# KiCad board 32X_VA2.kicad_pcb (continued)
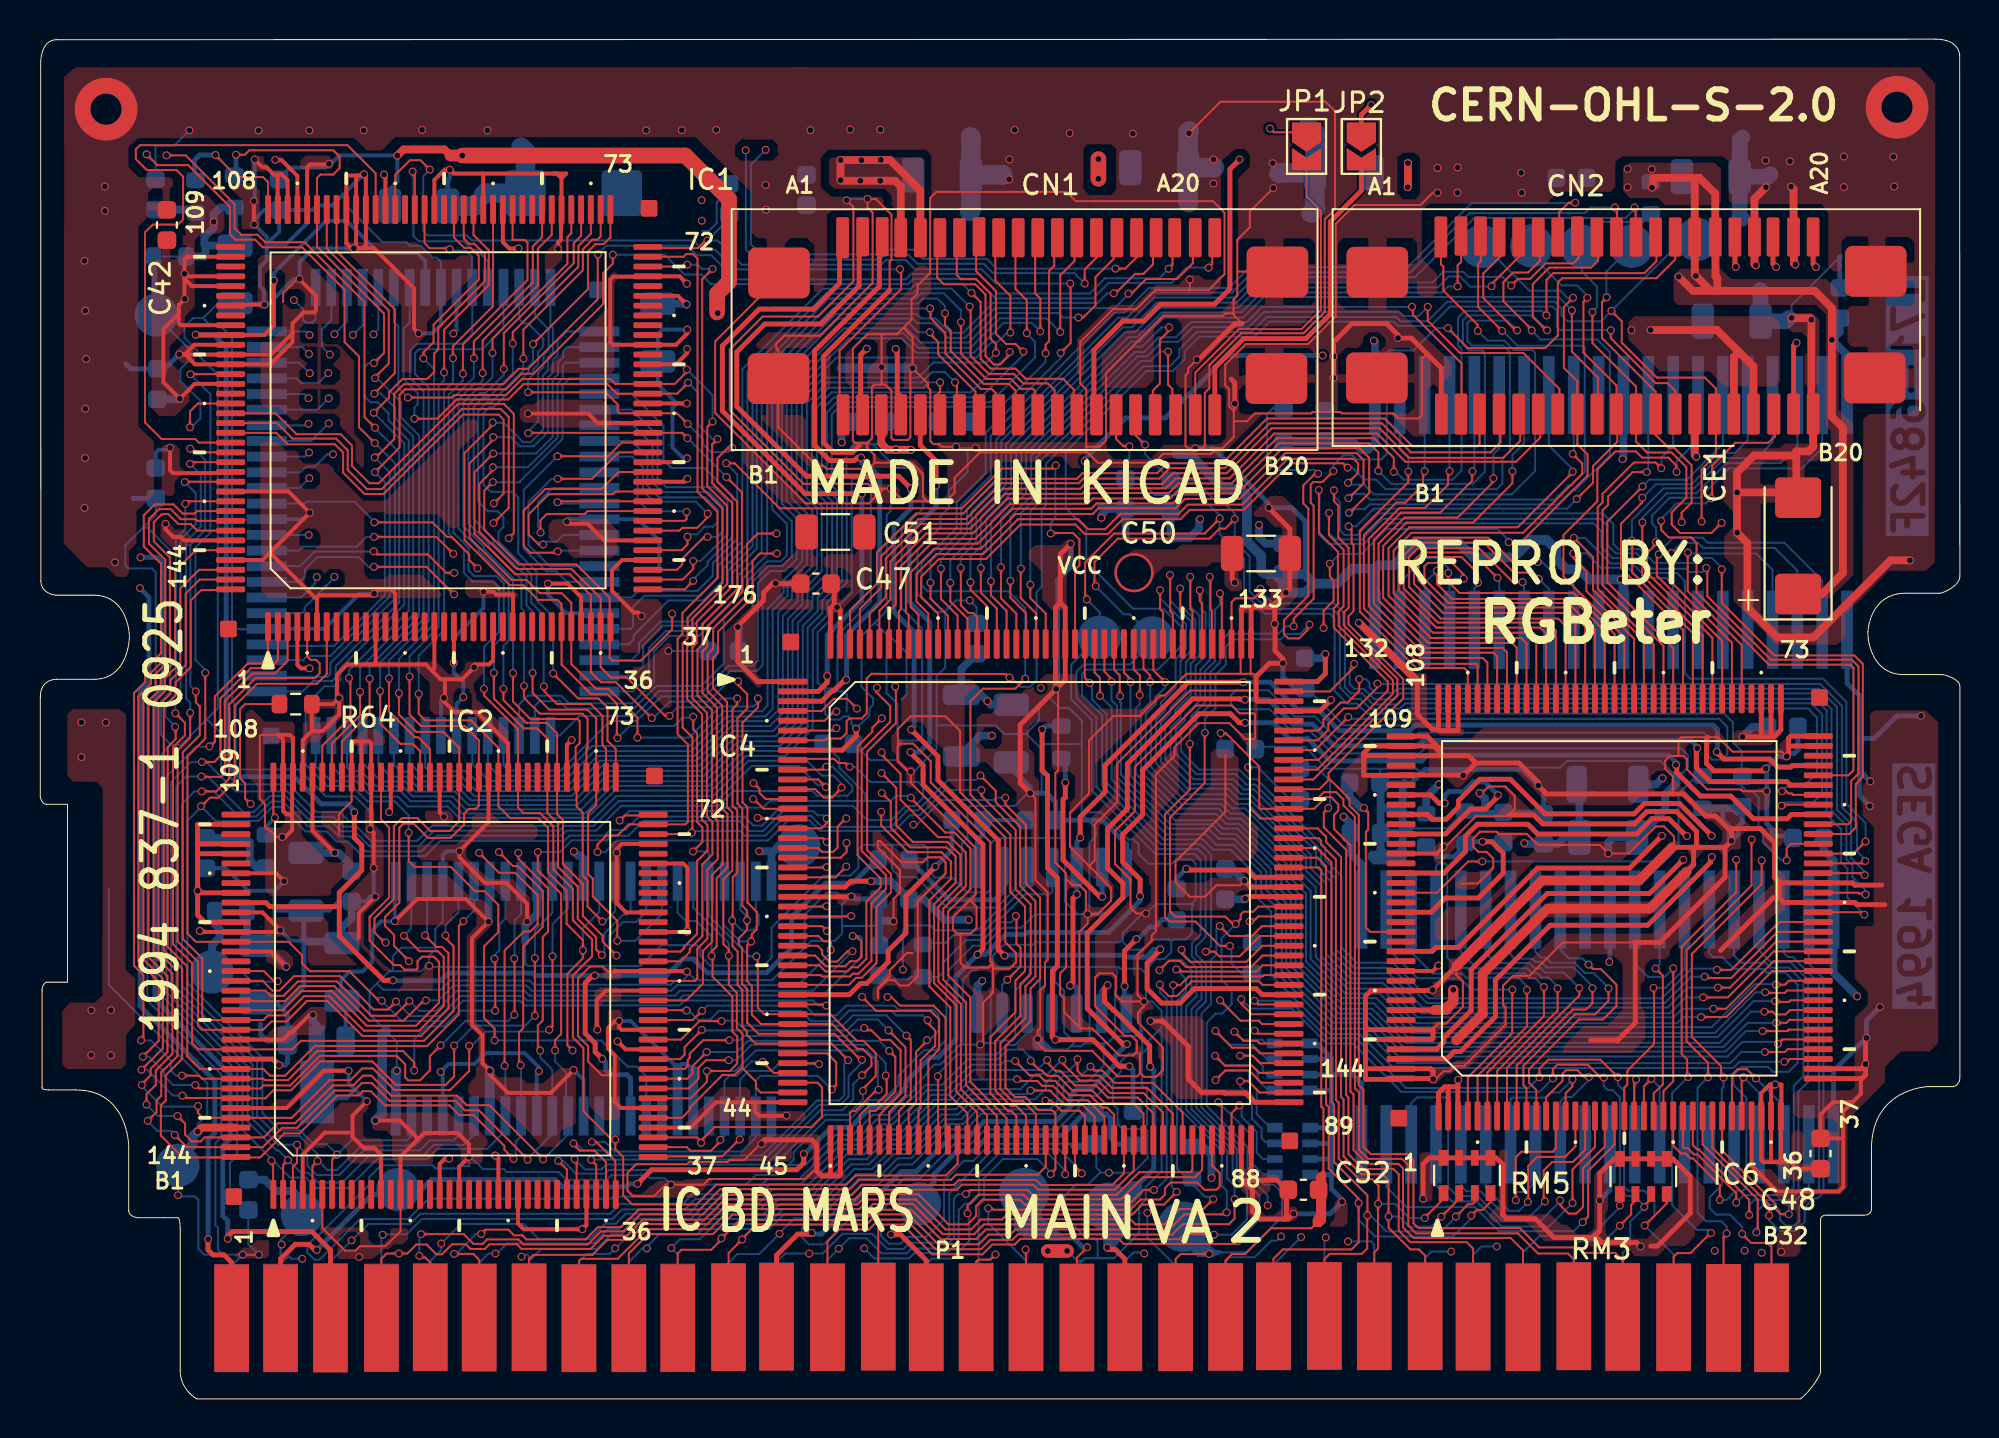
[diagram p0: board, top side]
## Routing (per net, layer and track width the routed paths; a pad name or vN(x,y) marks a point on that pad's centre or on a via; arc(x,y) is an arc through that point) (continued)
~{SHCS1}: length 78.5
  Top w0.1: IC2.73 29.47,33.22 29.05,33.64 29.05,35.34 28.59,35.8 27.55,35.8 v1(26.27,37.08) ; IC1.73 29.2,59.37 28.85,59.02 28.43,59.02 28.05,58.64 28.05,56.72 v1(25.24,53.91) ; v1(43.06,33.05) 43.06,32.92 44.03,31.95 44.03,30.62 45.94,28.71 46.58,28.71 47.36,27.93 47.36,26.21 46.21,25.06 46.21,21.43 47.37,20.27 47.37,16.04 48.95,14.47 IC4.62
  In1.Cu w0.1: v1(26.27,37.08) 26.68,37.49 29.66,37.49 31.03,36.12 33.15,36.12 35.73,33.54 42.57,33.54 v1(43.06,33.05)
  Bottom w0.1: v1(25.24,53.91) 25.24,52.99 25.02,52.77 25.02,52.48 23.24,50.7 23.02,50.7 22.71,50.39 22.71,46.73 23.08,46.36 24.2,46.36 24.49,46.07 24.49,43.21 25.42,42.28 25.42,40.83 26.27,39.98 v1(26.27,37.08)
~{SHCS2}: length 79.1
  Top w0.1: v1(25.8,36.42) 25.8,36.18 26.46,35.52 28.18,35.52 28.79,34.91 28.79,33.41 28.97,33.23 IC2.74 ; IC1.74 28.7,59.42 28.53,59.25 28.28,59.25 27.79,58.76 27.79,57.69 24.75,54.65 v1(24.75,53.17) ; v1(43.05,31.99) 43.81,31.23 43.81,29.31 44.65,28.47 46.42,28.47 47.09,27.8 47.09,26.29 45.96,25.16 45.96,21.34 47.11,20.19 47.11,15.83 48.45,14.5 IC4.61
  In1.Cu w0.1: v1(43.05,31.99) 43.05,32.39 42.1,33.34 35.65,33.34 33.07,35.92 30.95,35.92 29.58,37.29 27.17,37.29 26.3,36.42 v1(25.8,36.42)
  Bottom w0.1: v1(24.75,53.17) 24.75,52.57 23.12,50.94 22.9,50.94 22.44,50.48 22.44,45.87 22.94,45.37 23.43,45.37 23.73,45.07 23.73,44.57 23.48,44.32 23.48,43.83 25.15,42.16 25.15,40.7 25.79,40.06 25.79,36.43 v1(25.8,36.42)
~{SHCS3}: length 49.1
  Top w0.1: v1(29.55,23.41) 29.55,24.43 28.3,25.68 28.3,26.58 28.06,26.82 28.06,29.94 28.47,30.35 IC2.75 28.47,34.78 28.02,35.23 26.07,35.23 25.22,36.08 v1(25.22,37.11) ; IC1.75 28.2,59.56 27.56,58.92 27.56,57.87 24.21,54.52 v1(24.21,53.94)
  Bottom w0.1: v1(29.55,23.41) 30.46,23.41 31.83,24.78 IC3.18 ; v1(24.21,53.94) 24.21,52.42 22.98,51.19 22.7,51.19 22.21,50.7 22.21,44.97 23.2,43.98 23.2,43.75 24.91,42.04 24.91,40.56 25.22,40.25 v1(25.22,37.11)
~{SHDQMLL}: length 83
  Top w0.1: v1(19.4,36.03) 19.4,35.01 19.73,34.68 22.07,34.68 23.47,33.28 IC2.85 23.47,30.29 24.08,29.68 25.51,29.68 26.01,29.18 26.01,26.91 26.96,25.96 26.96,24.28 27.79,23.45 v1(27.79,22.93) 27.79,22.52 27,21.73 27,18.07 v1(27.26,17.81) ; v1(21.15,53.19) 21.15,53.8 23.2,55.85 IC1.85 ; IC4.57 46.33,13.35 46.33,19.48 45.71,20.1 44,20.1 43.56,20.54 v1(43.36,20.54)
  In1.Cu w0.1: v1(27.26,17.81) 27.26,18.87 29.37,20.98 40.4,20.98 41.46,19.92 42.38,19.92 43,20.54 v1(43.36,20.54)
  Bottom w0.1: IC3.14 28.63,24.89 27.79,24.05 v1(27.79,22.93) ; v1(21.15,53.19) 21.15,51.96 20.7,51.51 20.7,39.29 19.4,37.99 v1(19.4,36.03)
~{SHDQMLU}: length 79.6
  Top w0.1: IC1.83 24.2,59.28 24.24,59.24 24.82,59.24 24.96,59.1 24.96,57.19 21.66,53.89 v1(21.66,52.4) ; v1(22.74,36.29) 22.74,35.95 24.47,34.22 IC2.83 24.47,30.23 24.76,29.94 25.6,29.94 26.28,29.26 26.28,27.06 27.28,26.06 27.28,24.46 28.26,23.48 28.26,22.62 27.28,21.64 27.28,18.47 27.82,17.93 27.82,14.7 29.26,13.26 v1(29.45,13.26) 29.45,12.76 29.85,12.36 29.85,10.4 30.31,9.94 33.6,9.94 34.61,10.95 41.26,10.95 41.73,11.42 46.34,11.42 46.95,12.03 IC4.58
  Bottom w0.1: v1(21.66,52.4) 21.66,52.05 20.93,51.32 20.93,44.23 21.71,43.45 21.71,42.22 22.16,41.77 23.2,41.77 23.5,41.47 23.5,39.2 22.74,38.44 v1(22.74,36.29) ; v1(29.45,13.26) 29.43,13.28 IC3.36
~{SHMIRL1}: length 72.6
  Top w0.1: v1(23.24,45.77) 23.74,46.27 23.74,50.05 23.48,50.31 21.66,50.31 17.6,46.25 16.63,46.25 15.54,47.34 15.54,48.37 15.12,48.79 12.71,48.79 12.12,49.38 IC1.128 ; IC4.30 39.88,22.16 40.19,21.85 41.31,21.85 41.52,22.06 41.85,22.06 42.28,22.49 42.28,25.42 43.01,26.15 43.01,26.6 41.83,27.78 41.83,33.35 42.58,34.1 42.58,34.3 v1(43.07,34.79)
  In1.Cu w0.1: v1(43.07,34.79) 43.07,34.72 42.09,33.74 35.83,33.74 33.22,36.35 31.09,36.35 29.75,37.69 23.65,37.69 20.33,41.01 20.33,43.7 22.4,45.77 v1(23.24,45.77)
~{SHMIRL2}: length 69.6
  Top w0.1: IC1.127 12.15,49.88 12.95,49.08 15.18,49.08 15.77,48.49 15.77,47.48 16.75,46.5 17.51,46.5 21.61,50.6 23.59,50.6 24,50.19 24,45.54 v1(23.22,44.76) ; IC4.31 39.94,21.66 40.01,21.59 41.45,21.59 41.59,21.73 41.88,21.73 42.54,22.39 42.54,25.32 43.28,26.06 43.28,26.77 42.04,28.01 42.04,33.15 43.5,34.61 43.5,35.41 42.78,36.13 42.78,36.32 v1(42.82,36.36)
  In1.Cu w0.1: v1(23.22,44.76) 23.06,44.6 23.06,41.87 23.38,41.55 23.38,40.64 25.33,38.69 30.2,38.69 31.53,37.36 38.15,37.36 39.31,36.2 42.66,36.2 v1(42.82,36.36)
~{SHMIRL3}: length 70.4
  Top w0.1: IC4.32 41.39,21.16 41.75,21.52 42.04,21.52 42.8,22.28 42.8,25.15 43.54,25.89 43.54,26.83 42.32,28.05 42.32,33.07 43.79,34.54 43.79,36.38 v1(43.76,36.41) ; IC1.126 12.08,50.38 13.15,49.31 15.41,49.31 15.99,48.73 15.99,47.69 16.88,46.8 17.36,46.8 21.42,50.86 23.75,50.86 24.26,50.35 24.26,44.25 v1(24,43.99)
  In1.Cu w0.1: v1(24,43.99) 24,40.31 25.42,38.89 30.31,38.89 31.64,37.56 38.32,37.56 38.45,37.43 40.51,37.43 40.78,37.16 41.56,37.16 41.71,37.01 43.34,37.01 43.76,36.59 v1(43.76,36.41)
~{SHRAS}: length 49.6
  Top w0.1: IC1.79 26.2,59.5 25.49,58.79 25.49,56.92 22.67,54.1 v1(22.67,52.43) ; v1(23.73,36.29) 23.73,35.72 24.9,34.55 25.94,34.55 26.47,34.02 IC2.79 26.47,29.89 26.77,29.59 26.77,27.34 27.79,26.32 27.79,24.68 28.8,23.67 28.8,23.37 v1(29.51,22.66)
  Bottom w0.1: v1(23.73,36.29) 23.73,38.49 24,38.76 24,41.79 22.47,43.32 22.47,43.45 21.44,44.48 21.44,51.08 22.25,51.89 22.51,51.89 22.67,52.05 v1(22.67,52.43) ; v1(29.51,22.66) 29.51,22.68 29.13,23.06 29.13,23.66 29.84,24.37 30.51,24.37 31.03,24.89 IC3.17
~{SHRD0}: length 9.8
  Top w0.1: IC4.56 45.95,16.45 45.93,16.46 v1(45.93,16.49)
  Bottom w0.1: v1(45.93,16.49) 45.93,16.6 46.93,17.6 48.94,17.6 49.43,18.09 49.87,18.09 50.49,18.71 IC9.12
~{SHRD}: length 90.2
  Top w0.1: v1(18.9,22.37) 18.9,22.39 18.14,23.15 18.14,23.71 17.68,24.17 17.68,24.63 18.41,25.36 18.41,29.19 18.62,29.4 19.15,29.4 19.88,28.67 21.03,28.67 21.72,29.36 21.72,29.91 21.97,30.16 22.32,30.16 22.47,30.31 IC2.87 22.47,33.67 21.75,34.39 19.52,34.39 18.93,34.98 v1(18.93,36.92) ; IC1.87 22.2,59.49 22.98,58.71 22.98,56.93 20.7,54.65 v1(20.7,52.46)
  In1.Cu w0.1: v1(18.9,22.37) 19.51,22.37 19.67,22.53 21.46,22.53 21.9,22.97 25.3,22.97 26.35,24.02 26.35,25.06 26.8,25.51 38.44,25.51 39.51,24.44 39.51,22.29 41.67,20.13 42.21,20.13 44.02,21.94 v1(44.15,21.94)
  Bottom w0.1: 50.52,27.19 50.52,26.31 49.08,24.87 48.89,24.87 47.97,23.95 45.8,23.95 45.55,24.2 44.41,24.2 44.15,23.94 v1(44.15,21.94) ; v1(18.93,36.92) 18.93,37.96 20.42,39.45 20.42,51.78 20.7,52.06 v1(20.7,52.46)
~{SHRES}: length 69.2
  Top w0.1: v1(7.73,52.37) 7.74,52.38 IC1.122 ; v1(8.49,37.11) 8.49,33.75 7.58,32.84 7.58,23.79 8,23.37 IC2.122 12.75,23.37 13.44,22.67 13.44,22.26 13.84,21.86 15.85,21.86 17.36,20.35 v1(17.51,20.35) ; v1(40.24,20.1) 40.18,20.16 IC4.34
  Bottom w0.1: v1(7.73,52.37) 8.75,51.35 8.75,44.27 7.99,43.51 7.99,37.77 8.49,37.27 v1(8.49,37.11) ; v1(17.51,20.35) 17.51,20.34 18.53,19.32 20.63,19.32 21.66,20.35 24.58,20.35 24.82,20.11 32.73,20.11 32.98,20.36 39.56,20.36 39.8,20.12 40.22,20.12 v1(40.24,20.1)
~{SHSIRL1}: length 35.7
  Top w0.1: v1(19.77,20.37) 19.67,20.37 18.63,19.33 16.85,19.33 15.08,21.1 13.34,21.1 12.57,20.33 10.9,20.33 10.86,20.37 IC2.128 ; v1(40.46,22.95) 40.46,23.3 40.37,23.39 40.1,23.39 39.83,23.66 IC4.27
  Bottom w0.1: v1(40.46,22.95) 40.46,22.81 38.8,21.15 32.6,21.15 32.31,20.86 25.17,20.86 24.9,21.13 21.17,21.13 20.41,20.37 v1(19.77,20.37)
~{SHSIRL2}: length 38.4
  Top w0.1: v1(41.57,22.88) 41.32,22.88 40.79,22.35 40.39,22.35 40.02,22.72 40.02,22.93 39.79,23.16 IC4.28 ; v1(18.92,20.34) 18.16,19.58 16.98,19.58 15.22,21.34 13.23,21.34 12.49,20.6 11.83,20.6 11.56,20.87 IC2.127
  Bottom w0.1: v1(18.92,20.34) 19.43,19.83 20.31,19.83 21.33,20.85 22.17,20.85 22.18,20.86 24.81,20.86 25.07,20.6 25.08,20.61 32.5,20.61 32.75,20.86 39.55,20.86 v1(41.57,22.88)
~{SHSIRL3}: length 41.9
  Top w0.1: v1(41.58,23.66) 41.76,23.66 42.02,23.4 42.02,22.59 41.8,22.37 41.46,22.37 41.2,22.11 40.21,22.11 39.66,22.66 IC4.29 ; v1(18.24,20.31) 17.83,19.9 17.09,19.9 15.38,21.61 13.03,21.61 12.29,20.87 11.92,20.87 11.42,21.37 IC2.126
  Bottom w0.1: v1(41.58,23.66) 41.95,23.66 42.05,23.56 42.05,22.61 40.06,20.62 32.92,20.62 32.66,20.36 24.93,20.36 24.7,20.59 21.52,20.59 20.49,19.56 18.99,19.56 v1(18.24,20.31)
~{SHWAIT}: length 87.3
  Top w0.1: v1(42.06,20.55) 42.78,19.83 45.56,19.83 46,19.39 46,17.86 45.45,17.31 IC4.55 ; v1(18.39,36.07) 18.39,34.98 19.28,34.09 20.66,34.09 21.47,33.28 IC2.89 21.47,29.52 20.98,29.03 19.98,29.03 19.32,29.69 18.55,29.69 18.13,29.27 18.13,25.54 17.14,24.55 17.14,23.84 17.66,23.32 v1(17.71,23.32) ; IC1.89 21.2,59.36 21.73,58.83 22.06,58.83 22.47,58.42 22.47,57.21 20.16,54.9 20.16,54.01 19.64,53.49 v1(19.64,53.18)
  In1.Cu w0.1: v1(17.71,23.32) 18.18,22.85 19.15,22.85 19.27,22.73 21.36,22.73 21.8,23.17 25.2,23.17 26.15,24.12 26.15,25.14 26.72,25.71 38.52,25.71 39.71,24.52 39.71,22.63 41.79,20.55 v1(42.06,20.55)
  Bottom w0.1: v1(19.64,53.18) 20.18,52.64 20.18,39.61 18.39,37.82 v1(18.39,36.07)
~{TIME}: length 68.4
  Top w0.1: v1(87.53,28.59) 87.52,28.58 87.52,26.24 84.2,22.92 84.2,18.28 85.3,17.18 v1(85.3,16.44) ; v1(86.25,8.46) 86.09,8.3 P1.b31 ; v1(83.95,44.81) 83.95,45.3 84.46,45.81 84.46,47.72 83.56,48.62 83.27,48.62 82.62,49.27 CN2.B12 82.62,51.48 79.88,54.22 79.88,56.07 v1(80.12,56.31)
  In1.Cu w0.1: v1(87.53,28.59) 87.55,28.57 88.78,28.57 90.3,30.09 90.3,41.51 86.63,45.18 85.8,45.18 85.37,44.75 85.37,44.6 85.1,44.33 84.42,44.33 83.95,44.8 v1(83.95,44.81)
  Bottom w0.1: v1(85.3,16.44) 84.76,15.9 84.76,9.52 85.2,9.08 85.98,9.08 86.25,8.81 v1(86.25,8.46) ; 81.71,59.07 81.55,59.07 80.1,57.62 80.1,56.33 v1(80.12,56.31)
~{UWR}: length 86.8
  Top w0.1: IC4.121 65.43,31.16 65.9,31.63 65.9,31.79 ; v1(79.13,56.28) 78.93,56.08 78.93,53.48 80.62,51.79 CN2.B10 80.66,50.3 80.66,48.92 79.42,47.68 79.42,46.83 v1(78.58,45.99) ; 65.9,31.79 65.9,31.99 69.72,35.81 69.72,36.79 66.92,39.59 66.92,40 67.18,40.26 67.18,43.65 67.08,43.75 67.08,44.45 v1(66.93,44.6) ; 65.9,31.79 65.9,31.74 66.98,30.66 66.98,30.32 67.45,29.85 67.45,16.03 67.69,15.79 67.69,12.88 68.06,12.51 69.92,12.51 70.24,12.19 70.24,8.98 70.49,8.73 75.68,8.73 76.67,7.74 78.67,7.74 78.95,7.46 80.56,7.46 80.94,7.08 P1.b29 ; 64.24,31.16 64.27,31.13
  Bottom w0.1: 77.08,57.64 77.81,56.91 78.61,56.91 79.13,56.39 v1(79.13,56.28) ; 77.08,57.64 77.03,57.69 ; 77.08,57.64 76.33,58.39 76.33,58.97 ; v1(66.93,44.6) 67.31,44.6 68.21,45.5 78.09,45.5 v1(78.58,45.99)
~{VRES}: length 90.8
  Top w0.1: v1(65.97,42.69) 65.97,42.02 66.16,41.83 66.16,40.79 65.65,40.28 v1(65.65,39.4) ; v1(78.4,56.28) 77.93,55.81 77.93,52.7 78.62,52.01 CN2.B8 78.62,48.79 79.14,48.27 79.14,47.19 75.74,43.79 v1(75.11,43.79) ; P1.b27 75.84,7.59 75.21,8.22 70.25,8.22 69.71,8.76 69.71,11.78 69.48,12.01 67.89,12.01 67.18,12.72 67.18,15.56 67.02,15.72 67.02,28.29 66.18,29.13 66.18,29.84 66.4,30.06 66.4,30.39 66.03,30.76 65.77,30.76 65.17,30.16 IC4.119 62.41,30.16 62.36,30.21 62.36,32.32 60.65,34.03 v1(60.39,34.03)
  In1.Cu w0.1: v1(65.65,39.4) 66.68,38.37 66.68,35.44 64.82,33.58 60.84,33.58 v1(60.39,34.03)
  Bottom w0.1: v1(75.11,43.79) 75.11,43.89 74.54,44.46 68.87,44.46 67.6,43.19 66.47,43.19 v1(65.97,42.69) ; v1(60.39,34.03) 60.39,33.25 60.44,33.2 ; 73.59,58.94 73.87,58.94 76.17,56.64 77.75,56.64 78.11,56.28 v1(78.4,56.28)
~{VSYNC}: length 130.2
  Top w0.1: v1(55.72,48.69) 55.42,48.69 55.04,49.07 CN1.B15 ; P1.b13 40.29,8.05 40.9,8.66 42.42,8.66 42.92,9.16 44.31,9.16 45.82,7.65 48.14,7.65 48.62,8.13 49.75,8.13 50.03,8.41 55.4,8.41 55.65,8.16 58.29,8.16 58.55,8.42 60.02,8.42 v1(60.05,8.39) ; v1(60.34,45) 59.57,44.23 54.94,44.23 53.46,42.75 53.46,40.95 v1(53.55,40.86) ; v1(89.08,31.06) 89.3,31.06 89.42,30.94 89.58,30.94 89.65,30.87 IC6.66
  Bottom w0.1: v1(60.05,8.39) 60.95,8.39 61.73,9.17 61.73,10.7 61,11.43 61,12.7 58.9,14.8 58.9,19.93 59.41,20.44 59.41,22.13 58.92,22.62 58.92,23.29 59.36,23.73 59.36,27.55 59.06,27.85 57.06,27.85 53.8,31.11 53.8,34.7 52.75,35.75 52.75,37.53 54.21,38.99 54.21,40.2 v1(53.55,40.86) ; v1(89.08,31.06) 89.29,31.27 90.15,31.27 90.86,31.98 90.86,34.83 90.4,35.29 69.93,35.29 69.67,35.03 67.86,35.03 67.35,35.54 66.85,35.54 66.21,36.18 66.21,39.89 65.97,40.13 62.65,40.13 61.59,41.19 61.59,42.94 60.34,44.19 v1(60.34,45) 60.34,45.15 59.29,46.2 57.02,46.2 56.13,47.09 55.77,47.09 55.46,47.4 55.46,47.84 55.72,48.1 v1(55.72,48.69)
~{XAS}: length 63.6
  Top w0.1: v1(58.81,33.48) 58.81,31.14 57.54,29.87 57.54,24.64 57.78,24.4 59.1,24.4 60.35,23.15 v1(60.86,23.15) ; CN2.A13 83.62,58.24 82.66,57.28 77.84,57.28 77.62,57.06 77.62,54.35 76.98,53.71 73.02,53.71 v1(72,54.73) ; v1(64.12,39.49) 64.12,39.88 65.14,40.9 65.14,45.65 64.99,45.8 64.99,46.73 65.12,46.86 65.59,46.86 v1(66.15,47.42) 66.15,47.29
  Bottom w0.1: FB2.1 61.45,21.75 60.94,22.26 60.94,23.07 v1(60.86,23.15) ; v1(72,54.73) 71.39,54.73 70.25,53.59 69,53.59 68.88,53.47 68.88,48.3 68.6,48.02 67.33,48.02 67.12,48.23 66.66,48.23 66.15,47.72 v1(66.15,47.42) ; v1(58.81,33.48) 58.81,34.21 59.14,34.54 59.14,34.77 59.86,35.49 59.86,37.15 60.37,37.66 60.37,38.7 60.78,39.11 63.35,39.11 63.73,39.49 v1(64.12,39.49)
~{XRESET}: length 68.8
  Top w0.25: IC4.100 62.51,20.66 62.2,20.97 59.05,20.97 58.31,20.23 57.37,20.23 56.63,20.97 56.63,22.27 57.3,22.94 v1(57.3,22.98) ; v1(44.57,34.21) 45.94,32.84 45.94,31.63 49.02,28.55 49.02,22.97 v1(49.34,22.65) ; v1(44.56,46.53) 43.93,47.16 39.22,47.16 35.66,50.72 35.66,53.51 37.09,54.94 39.96,54.94 41.91,56.89 41.91,58.52 42.09,58.7 CN1.A2
  Bottom w0.25: v1(49.34,22.65) 49.37,22.68 55.45,22.68 55.55,22.58 56.58,22.58 56.98,22.98 v1(57.3,22.98) ; v1(44.56,46.53) 44.56,45.52 43.69,44.65 43.69,40.22 44.72,39.19 44.72,34.36 v1(44.57,34.21)
~{YS0}: length 98
  Top w0.25: CN1.B14 53.91,50.43 53.91,53.61 55.39,55.09 56.45,55.09 57.31,55.95 60.07,55.95 60.86,56.74 60.86,62.85 v1(61.36,63.35) ; v1(85.49,27.7) 85.43,27.64 85.43,27.43 82.21,24.21 77.23,24.21 74.43,21.41 74.43,19.53 72.65,17.75 72.32,17.75 71.94,17.37 IC6.142
  In1.Cu w0.25: v1(85.49,27.7) 85.49,27.79 84.96,28.32 84.96,32.25 82.29,34.92 82.29,41.68 80.6,43.37 80.6,46.85 81.65,47.9 81.65,51.59 83.75,53.69 83.75,54.99 79.45,59.29 79.45,61.69 77.36,63.78 61.79,63.78 v1(61.36,63.35)
~{YS}: length 82.5
  Top w0.25: v1(84.74,33.26) 84.7,33.3 84.7,32.26 85.41,31.55 89.33,31.55 89.51,31.37 IC6.67 ; v1(55.6,18.13) 55.39,18.13 53.57,19.95 53.57,23.81 55.39,25.63 55.39,26.35 54.61,27.13 54.61,29.15 55.62,30.16 55.62,32.46 58.94,35.78 61.36,35.78 61.4,35.74 v1(61.63,35.74) ; P1.b12 37.69,7.34 38.77,8.42 39.42,8.42 v1(39.49,8.49)
  Bottom w0.25: v1(39.49,8.49) 39.56,8.42 39.99,8.42 42.17,10.6 43.05,10.6 44.07,11.62 44.83,11.62 46.62,13.41 47.53,13.41 48.3,14.18 51.95,14.18 52.7,14.93 52.7,15.48 53.04,15.82 53.74,15.82 55,17.08 55,17.53 v1(55.6,18.13) ; v1(84.74,33.26) 84.74,33.35 84.44,33.65 70.74,33.65 70.47,33.38 66.2,33.38 65.09,34.49 64.09,34.49 62.83,35.75 61.64,35.75 v1(61.63,35.74)
Net-(C5-Pad1): length 4.7
  Bottom w0.2: C5.1 FB5.2
  Bottom w0.25: FB5.2 48.23,28.84 47.95,28.56 IC9.1
Net-(C11-Pad1): length 2.1
  Bottom w0.4: R3.2 7.83,60.78 C11.1
Net-(C14-Pad1): length 4.2
  Bottom w0.4: R5.2 11.09,27.19 10.77,27.5 10.77,28.44 10.53,28.67 C14.1
Net-(C26-Pad1): length 14.1
  Top w0.1: v1(49.92,24.69) 49.95,24.66 49.95,23.26 50.16,23.05 50.16,22.1 v1(49.48,21.42)
  Bottom w0.1: v1(49.48,21.42) 49.21,21.16 IC9.13 ; v1(49.92,24.69) 49.92,24.61 49.67,24.36 49.14,24.36 48.23,23.45 47.36,23.45 46.2,22.29 46.2,21.8 45.96,21.56 45.03,21.56 45.02,21.57 44.58,21.57 44.45,21.44 43.07,21.44 42.97,21.54
Net-(C30-Pad1): length 30.8
  Top w0.2: v1(71.51,22.15) 71.23,21.87 IC6.133
  Top w0.25: v1(74.56,30.86) 74.56,30.79 73.92,30.15 73.16,30.15 71.88,28.87 IC6.119 ; IC6.115 71.12,30.87 71.55,30.44 v1(71.84,30.44)
  In1.Cu w0.2: v1(71.51,22.15) 71.51,23.77 75.91,28.17 v1(75.91,28.41) 74.56,29.76 v1(74.56,30.86)
  Bottom w0.25: v1(71.84,30.44) 71.84,30.83 72.06,31.05 72.8,31.05 73.29,31.54 73.88,31.54 v1(74.56,30.86)
  Bottom w0.4: v1(75.91,28.41) 75.95,28.37 C31.1 77.64,28.37 77.97,28.7 C30.1 78.73,31.27 78.58,31.41
Net-(CN1-GND/MAS): length 17.8
  Top w0.1: JP1.2 64.78,61.46 65.51,60.73 65.51,55.67 64.52,54.68 61.32,54.68 59.09,52.45 CN1.B19
Net-(CN1-GND/VCLK): length 18.2
  Top w0.25: 59.92,50.13 CN1.B20 60.09,52.72 61.56,54.19 64.74,54.19 65.99,55.44 65.99,60.17 67.58,61.76 JP2.2
Net-(FB1-Pad1): length 6.6
  Top w0.25: v1(55.48,21.09) 55.47,21.1 55.47,22.89 v1(56.08,23.5)
  Bottom w0.25: FB1.1 57.4,24.49 57.03,24.12 56.77,24.12 56.15,23.5 v1(56.08,23.5) ; v1(55.48,21.09) 55.48,19.79 IC9.8
Net-(FB6-Pad1): length 7.1
  Bottom w0.25: FB6.1 44.47,27.56 46.52,25.51 48.85,25.51 49.23,25.89 IC9.2
Net-(IC1-CAP1): length 7
  Top w0.1: IC1.108 11.7,62.19 11.44,62.45 10.13,62.45 9.01,63.57 v1(9.01,63.58)
  Bottom w0.1: 7.99,63.36 7.94,63.31
  Bottom w0.25: v1(9.01,63.58) 8.21,63.58 7.99,63.36 ; 7.94,63.31 7.94,62.2
Net-(IC1-FTOA): length 37
  Top w0.1: IC1.97 17.2,62.64 15.76,64.08 5.16,64.08 4.94,63.86 4.94,63.37 5.5,62.81 7.02,62.81 7.36,62.47 7.36,60.29 7.09,60.02 5.81,60.02 5.41,59.62 5.41,49.91 6.26,49.06 7.98,49.06 8.16,48.88 IC1.129
Net-(IC2-CAP1): length 3.2
  Top w0.1: IC2.108 11.97,29.78 v1(12.05,29.7)
  Bottom w0.2: R5.1 11.59,29.24 v1(12.05,29.7)
Net-(IC2-FTOA): length 27.8
  Top w0.1: IC2.129 12.45,19.87 13.42,20.84 14.97,20.84 16.74,19.07 19.26,19.07 20.44,20.25 20.44,22.33 20.17,22.6 19.57,22.6 19.34,22.37 19.34,22 19.28,21.94 18.68,21.94 18.45,22.17 18.14,22.17 16.89,23.42 16.89,24.63 17.89,25.63 17.89,29.2 17.47,29.62 IC2.97
Net-(IC4A-AVDD): length 28.1
  Top w0.25: IC4.129 65.46,35.16 v1(66.03,35.73)
  In1.Cu w0.25: v1(66.03,35.73) 66.03,36.26 64.11,38.18 49.89,38.18 48.47,36.76 v1(48.47,35.66)
  Bottom w0.4: C7.1 47.14,37.31 L1.2 48.14,35.98 48.64,35.48 C6.1
Net-(IC4A-CKIO): length 14.2
  Top w0.25: IC4.33 41.41,20.66 41.98,21.23 42.3,21.23 43.39,22.32 43.39,22.9 44.3,23.81 44.3,25.7 v1(45.81,27.21)
  Bottom w0.25: FB5.1 46.65,28.05 v1(45.81,27.21)
Net-(IC4A-OVA19): length 38.9
  Top w0.1: v1(21.17,43.19) 20.3,44.06 v1(17.12,44.06) ; v1(41.8,35.28) 41.3,35.78 40.61,35.78 39.99,35.16 IC4.4
  In1.Cu w0.1: v1(41.8,35.28) 41.46,35.62 40.4,35.62 39.87,35.09 35.34,35.09 33.48,36.95 31.36,36.95 30.02,38.29 25.02,38.29 21.64,41.67 21.64,42.72 v1(21.17,43.19)
  Bottom w0.1: IC5.10 13.29,43.36 13.49,43.56 16.23,43.56 16.73,44.06 v1(17.12,44.06)
Net-(IC4A-OVA20): length 35.7
  Top w0.1: IC4.5 40.14,34.66 40.61,35.13 v1(40.75,35.13) ; v1(17.1,43.32) 17.26,43.16 19.87,43.16 20.81,42.22 v1(21.22,42.22)
  In1.Cu w0.1: v1(21.22,42.22) 21.22,41.79 24.92,38.09 29.92,38.09 31.26,36.75 33.4,36.75 35.26,34.89 40.37,34.89 40.61,35.13 v1(40.75,35.13)
  Bottom w0.1: IC5.9 13.33,42.56 14.08,43.31 17.09,43.31 v1(17.1,43.32)
Net-(IC4A-OVA21): length 36
  Top w0.1: v1(40.75,34.28) 40.63,34.16 IC4.6 ; v1(17.11,42.53) 19.8,42.53 v1(21.21,41.12)
  In1.Cu w0.1: v1(40.75,34.28) 40.44,33.97 35.88,33.97 33.3,36.55 31.17,36.55 29.83,37.89 24.83,37.89 21.6,41.12 v1(21.21,41.12)
  Bottom w0.1: v1(17.11,42.53) 16.83,42.53 16.34,43.02 14.22,43.02 13.58,42.38 13.58,42.02 13.32,41.76 IC5.8
Net-(IC4A-VCLK): length 6.7
  Top w0.25: IC4.112 62.12,26.66 61.75,27.03 58.7,27.03 v1(58.63,27.1)
  Bottom w0.25: FB1.2 58.14,26.61 v1(58.63,27.1)
Net-(IC4A-~{ASEL}): length 7.8
  Top w0.1: v1(61.79,32.28) 61.89,32.18 61.89,30.19 62.42,29.66 IC4.118
  Bottom w0.1: v1(61.79,32.28) 62.29,32.28 64.05,30.52 64.5,30.52
Net-(IC4A-~{AS}): length 3.1
  Top w0.1: IC4.108 62.31,24.66 62.05,24.4 v1(61.87,24.4)
  Bottom w0.1: v1(61.87,24.4) 61.87,23.47 61.91,23.43
Net-(IC4A-~{SEL}): length 42.1
  Top w0.1: IC4.151 52.95,42.38 53.17,42.6 53.17,43.93 52.84,44.26 51.73,44.26 v1(51.7,44.23) ; v1(51.96,47.71) 51.8,47.55 49.2,47.55 47.17,45.52 37.85,45.52 35.55,47.82 v1(35.11,47.82)
  Bottom w0.1: v1(35.11,47.82) 35.68,47.25 35.68,43.96 34.43,42.71 34.43,42.08 33.65,41.3 30.62,41.3 30.28,40.96 IC5.58 ; v1(51.7,44.23) 51.7,44.77 51.94,45.01 51.94,47.69 v1(51.96,47.71)
Net-(IC4B-ACCS): length 34.6
  Top w0.1: IC4.125 65.22,33.16 v1(66.91,34.85) ; IC6.61 89.54,28.37 89.32,28.15 v1(89.32,27.52)
  Bottom w0.1: v1(66.91,34.85) 67,34.76 69.8,34.76 70.07,35.03 86.12,35.03 86.57,34.58 86.57,33.56 87.02,33.11 87.02,31.32 87.28,31.06 87.56,31.06 87.88,30.74 87.88,29.21 88.1,28.99 88.1,28.48 89.06,27.52 v1(89.32,27.52)
Net-(IC4B-AD0): length 51.7
  Top w0.1: IC6.54 93.17,24.87 v1(93.29,24.75) ; v1(62.42,41.41) 62.42,41.24 62.1,40.92 61.14,40.92 60.95,40.73 IC4.135
  Bottom w0.1: v1(93.29,24.75) 93.3,24.75 92.42,25.63 92.42,27.11 92.1,27.43 92.1,29.12 91.36,29.86 91.36,35.19 90.77,35.78 69.72,35.78 69.44,35.5 68.17,35.5 67.61,36.06 67.05,36.06 66.74,36.37 66.74,40.12 66.2,40.66 63.06,40.66 62.42,41.3 v1(62.42,41.41)
Net-(IC4B-AD1): length 53.5
  Top w0.1: v1(60.35,41.17) 60.35,41.06 60.45,40.97 IC4.136 ; IC6.53 88.93,24.37 86.49,21.93 v1(85.75,21.93)
  Bottom w0.1: v1(60.35,41.17) 60.35,40.59 60.1,40.34 60.1,37.71 59.59,37.2 59.59,35.6 58.89,34.9 58.89,34.63 58.36,34.1 58.36,33.09 59.28,32.17 61.33,32.17 61.83,31.67 62.24,31.67 65.73,28.18 65.74,28.18 65.74,27.54 66.57,26.71 66.57,23.06 67.34,22.29 69.2,22.29 71.02,20.47 82.94,20.47 84.46,21.99 85.69,21.99 v1(85.75,21.93)
Net-(IC4B-AD2): length 55.4
  Top w0.1: IC6.52 88.85,23.87 86.49,21.51 85.19,21.51 v1(85.12,21.58) ; v1(59.83,42.02) 59.87,41.98 59.87,40.36 59.95,40.28 IC4.137
  Bottom w0.1: v1(59.83,42.02) 59.83,37.75 59.35,37.27 59.35,35.72 58.56,34.93 58.56,34.67 58.1,34.21 58.1,32.98 59.15,31.93 61.17,31.93 61.7,31.4 62.15,31.4 65.52,28.03 65.52,27.34 66.28,26.58 66.28,22.97 67.22,22.03 69.13,22.03 70.93,20.23 83.09,20.23 84.44,21.58 v1(85.12,21.58)
Net-(IC4B-AD3): length 54.5
  Top w0.1: v1(59.32,41.33) 59.32,40.78 59.45,40.66 IC4.138 ; v1(85.8,21.02) 86.42,21.02 88.77,23.37 IC6.51
  Bottom w0.1: v1(85.8,21.02) 84.25,21.02 83.23,20 70.72,20 68.97,21.75 67.15,21.75 66.06,22.84 66.06,26.41 65.27,27.2 65.27,27.97 62.09,31.15 61.57,31.15 61.05,31.67 59,31.67 57.84,32.83 57.84,34.32 58.33,34.81 58.33,35.06 59.11,35.84 59.11,37.47 59.61,37.97 59.61,40.16 59.41,40.36 59.41,41.24 v1(59.32,41.33)
Net-(IC4B-AD4): length 56.3
  Top w0.1: IC4.139 58.95,40.27 58.84,40.37 58.84,42.01 v1(58.83,42.02) ; IC6.50 88.66,22.87 86.31,20.52 v1(85.05,20.52)
  Bottom w0.1: v1(58.83,42.02) 58.83,40.51 59.31,40.03 59.31,38.03 58.86,37.58 58.86,36.01 58.05,35.2 58.05,34.91 57.56,34.42 57.56,32.7 58.83,31.43 60.91,31.43 61.43,30.91 61.91,30.91 64.99,27.83 64.99,27.12 65.77,26.34 65.77,22.75 67.03,21.49 68.87,21.49 70.65,19.71 83.35,19.71 84.16,20.52 v1(85.05,20.52)
Net-(IC4B-AD5): length 55.5
  Top w0.1: IC6.49 88.65,22.37 86.22,19.94 v1(85.57,19.94) ; IC4.140 58.45,40.12 58.32,40.24 v1(58.32,41.42)
  Bottom w0.1: v1(58.32,41.42) 58.33,41.41 58.33,40.57 59.09,39.81 59.09,38.14 58.61,37.66 58.61,36.13 57.83,35.35 57.83,35.05 57.33,34.55 57.33,32.56 58.7,31.19 60.77,31.19 61.29,30.67 61.83,30.67 64.74,27.76 64.74,27.01 65.53,26.22 65.53,22.62 66.89,21.26 68.69,21.26 70.45,19.5 83.54,19.5 83.98,19.94 v1(85.57,19.94)
Net-(IC4B-AD6): length 57.4
  Top w0.1: IC6.48 89.49,21.87 89.49,21.87 88.58,21.87 86.23,19.52 v1(84.94,19.52) ; v1(57.8,42.11) 57.81,42.1 57.81,40.25 57.95,40.12 IC4.141
  Bottom w0.1: v1(84.94,19.52) 84.04,19.52 83.72,19.2 70.38,19.2 68.61,20.97 66.87,20.97 65.25,22.59 65.25,26.14 64.47,26.92 64.47,27.74 61.8,30.41 61.19,30.41 60.7,30.9 58.66,30.9 57.08,32.48 57.08,34.71 57.56,35.19 57.56,35.48 58.34,36.26 58.34,37.71 58.87,38.24 58.87,39.74 57.8,40.81 v1(57.8,42.11)
Net-(IC4B-AD7): length 56.3
  Top w0.1: IC6.47 89.43,21.37 89.23,21.17 v1(88.77,21.17) ; v1(57.29,41.34) 57.29,40.37 57.45,40.22 IC4.142
  Bottom w0.1: v1(88.77,21.17) 88.74,21.2 87.69,21.2 85.49,19 70.23,19 68.51,20.72 66.75,20.72 64.99,22.48 64.99,25.96 64.23,26.72 64.23,27.58 61.63,30.18 61,30.18 60.53,30.65 58.48,30.65 56.82,32.31 56.82,34.83 57.34,35.35 57.34,35.6 58.09,36.35 58.09,37.82 58.62,38.35 58.62,39.6 57.29,40.93 v1(57.29,41.34)
Net-(IC4B-AD8): length 50.5
  Top w0.1: v1(88.22,20.78) 88.25,20.75 89.22,20.75 89.34,20.87 IC6.46 ; v1(57.55,36.64) 56.95,37.25 IC4.143
  Bottom w0.1: v1(57.55,36.64) 57.55,36.36 57.07,35.88 57.07,35.51 56.56,35 56.56,32.21 58.36,30.41 60.41,30.41 60.91,29.91 61.54,29.91 63.99,27.46 63.99,26.58 64.75,25.82 64.75,22.36 66.62,20.49 68.34,20.49 70.13,18.7 85.65,18.7 87.73,20.78 v1(88.22,20.78)
Net-(IC4B-AD9): length 50.4
  Top w0.1: v1(56.79,36.64) 56.79,36.97 56.45,37.31 IC4.144 ; v1(88.73,20.33) 88.77,20.29 89.43,20.29 89.51,20.37 IC6.45
  Bottom w0.1: v1(88.73,20.33) 87.63,20.33 85.8,18.5 69.94,18.5 68.22,20.22 66.56,20.22 64.5,22.28 64.5,25.71 63.75,26.46 63.75,27.35 61.44,29.66 60.77,29.66 60.26,30.17 58.2,30.17 56.31,32.06 56.31,35.12 56.79,35.6 v1(56.79,36.64)
Net-(IC4B-AD10): length 50.7
  Top w0.1: v1(56.25,35.97) 56.26,35.98 56.26,36.97 55.95,37.28 IC4.145 ; IC6.44 89.48,19.87 89.26,19.65 88.74,19.65 88.6,19.79 v1(88.17,19.79)
  Bottom w0.1: v1(56.25,35.97) 56.25,35.49 56.05,35.29 56.05,31.96 58.11,29.9 60.16,29.9 60.67,29.39 61.33,29.39 63.49,27.23 63.49,26.33 64.22,25.6 64.22,22.22 66.5,19.94 68.13,19.94 69.87,18.2 85.9,18.2 87.49,19.79 v1(88.17,19.79)